# Altium PCB ROV_PCB_üst_layer_EDITED01.PcbDoc
Units mm, origin at the board's own origin, x right, y up, seen from the top; angles counter-clockwise.
Board outline 76.45 x 67.69 mm, 2 copper layers (Top Layer, Bottom Layer); 15 components, 20 nets, 89 pads, 0 vias.
Unrouted connection lines stored in the file: 3.
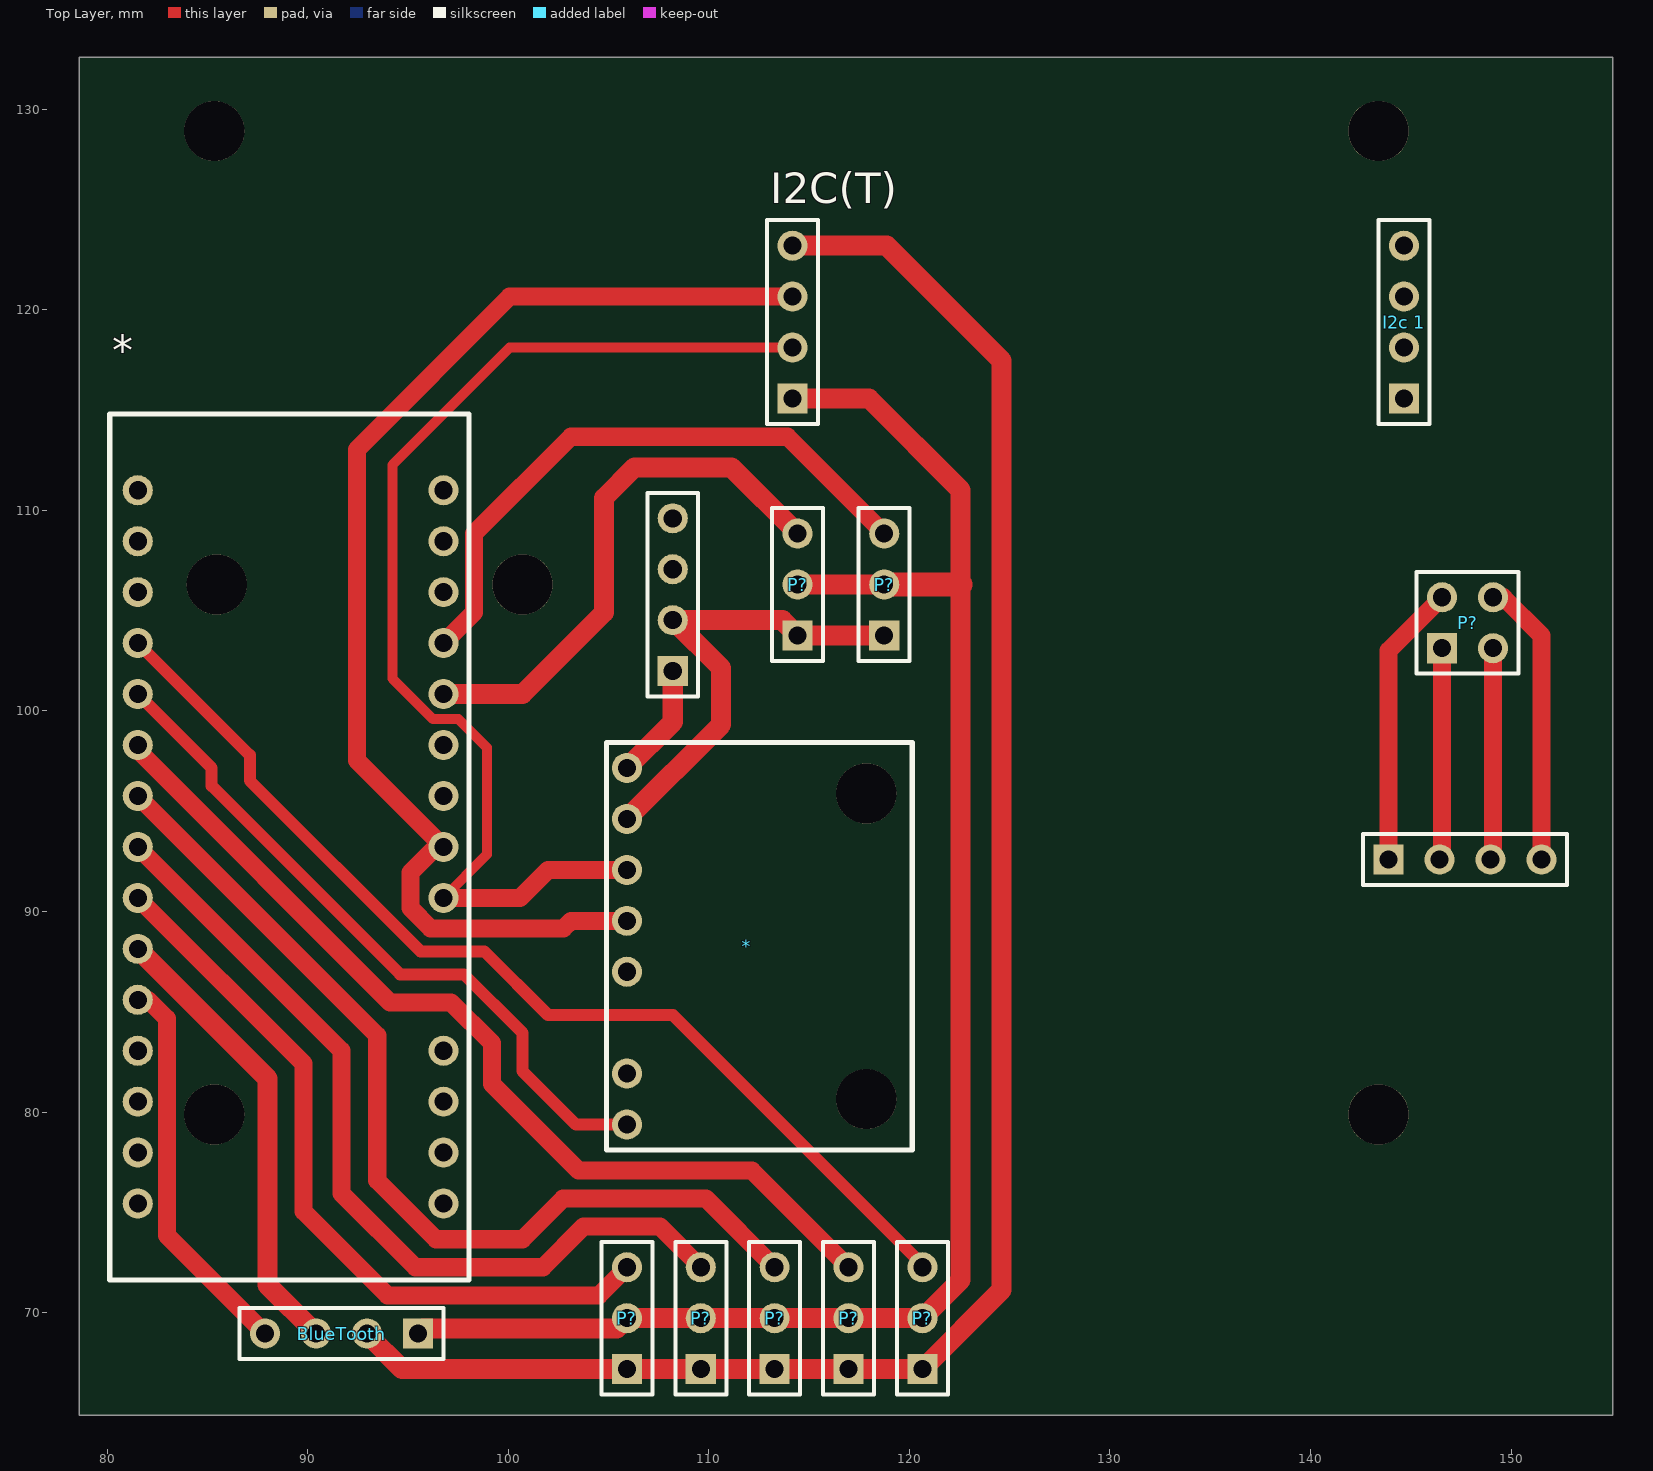
[diagram p0: Top Layer view]
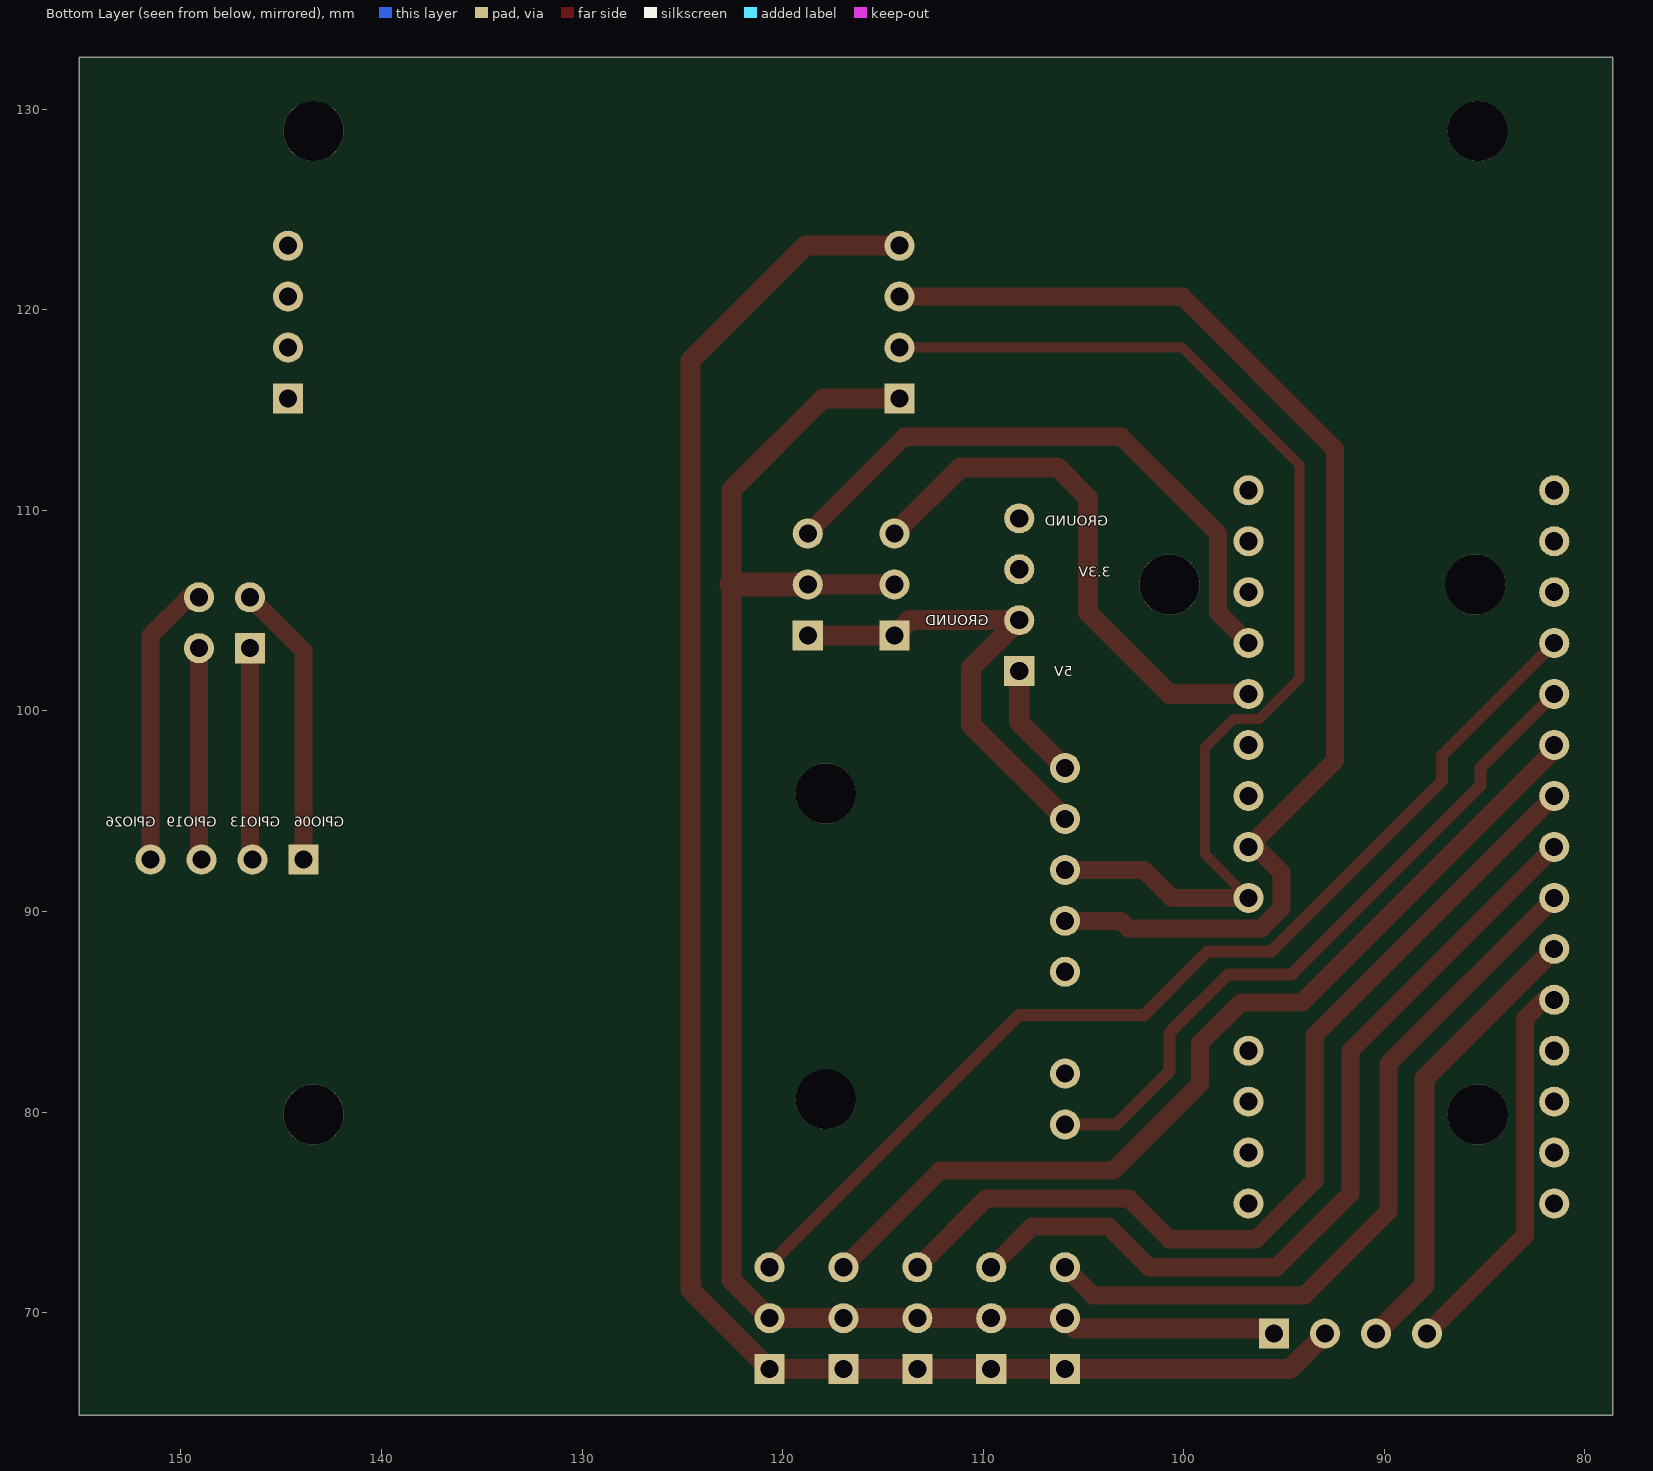
[diagram p1: Bottom Layer view, seen from below]

## Layer stack, top to bottom
Top Solder: solder mask 0.0102, Solder Resist, Dk 3.5
Top Layer: signal copper 0.0356
Dielectric 1: dielectric 0.32, FR-4, Dk 4.8
Bottom Layer: signal copper 0.0356
Bottom Solder: solder mask 0.0102, Solder Resist, Dk 3.5

## Board outline
78.613,64.897 78.613,132.588 155.067,132.588 155.067,64.897

## Design rules (kind name [scope] priority, off if disabled: settings)
Clearance [All] p1: gap=0.254
PolygonConnect [All] p1: connectstyle=Relief reliefconductorwidth=0.254 reliefentries=4 polygonreliefangle="90 Angle" airgapwidth=0.254
RoutingVias [All] p1: holewidth=0.711 width=1.27 viastyle="Through Hole" minholewidth=0.711 minwidth=1.27 maxholewidth=0.711 maxwidth=1.27
SolderMaskExpansion [All] p1: expansion=0.102
Width [All] p1 off: maxlimit=0.254 minlimit=0.254 preferedwidth=0.254
30 further rules are at their usual default settings.

## Classes and differential pairs
component class ROV_SCHE_ustlayer: i2c "i2c sharp"

## Components (designator, comment, footprint, x,y, rotation, side; value= is the part's Value field where it differs from the comment)
* "Component_1" PCBComponent_1 1261.618,-977.265 r270 top
* "Component_1" "Arduino Nano" 1333.119,1324.737 r0 top
BlueTooth "Header 4" HDR1X4 95.504,68.961 r180 top
Extra2 "Header 4" HDR1X4 108.204,101.981 r90 top
"EXTRA 0" "Header 4" HDR1X4 143.891,92.583 r0 top
"I2c 1" "Header 4" HDR1X4 144.653,115.57 r90 top
I2C(T) "Header 4" HDR1X4 114.173,115.57 r90 top
P? "Header 3" HDR1X3 120.65,67.183 r90 top
P? "Header 3" HDR1X3 116.967,67.183 r90 top
P? "Header 3" HDR1X3 113.284,67.183 r90 top
P? "Header 3" HDR1X3 109.601,67.183 r90 top
P? "Header 3" HDR1X3 105.918,67.183 r90 top
P? "Header 2X2" HDR2X2 146.558,103.124 r0 top
P? "Header 3" HDR1X3 114.427,103.759 r90 top
P? "Header 3" HDR1X3 118.745,103.759 r90 top

## Footprints (in the part's own frame and the unit in brackets; to place one, negate y for a bottom-side part, rotate by r counter-clockwise, add the part's x,y. Pads: shape width x height; smd on the part's side, far side on the other; paste and mask are expansions set on the pad)
"Arduino Nano" [mm]
  round 1.5 hole 0.9: 1(-1236.345,-1213.739) 2(-1236.345,-1216.279) 3(-1236.345,-1218.819) 4(-1236.345,-1221.359) 5(-1236.345,-1223.899) 6(-1236.345,-1226.439) 7(-1236.345,-1228.979) 8(-1236.345,-1231.519) 9(-1236.345,-1234.059) 12(-1236.345,-1241.679) 13(-1236.345,-1244.219) 14(-1236.345,-1246.759) 15(-1236.345,-1249.299) 16(-1251.585,-1249.299) 17(-1251.585,-1246.759) 18(-1251.585,-1244.219) 19(-1251.585,-1241.679) 20(-1251.585,-1239.139) 21(-1251.585,-1236.599) 22(-1251.585,-1234.059) 23(-1251.585,-1231.519) 24(-1251.585,-1228.979) 25(-1251.585,-1226.439) 26(-1251.585,-1223.899) 27(-1251.585,-1221.359) 28(-1251.585,-1218.819) 29(-1251.585,-1216.279) 30(-1251.585,-1213.739)
  silkscreen extent -1252.98,-1253.11 -1235.08,-1209.93, body extent -1253.11,-1253 -1235.11,-1208, height 8.5
HDR1X3 [mm] "Connector; Header; 3 Position"
  rect 1.5x1.5 hole 0.9: 1(0,0)
  round 1.5 hole 0.9: 2(2.54,0) 3(5.08,0)
  silkscreen extent -1.27,-1.27 6.35,1.27
HDR1X4 [mm] "Connector; Header; 4 Position"
  rect 1.5x1.5 hole 0.9: 1(0,0)
  round 1.5 hole 0.9: 2(2.54,0) 3(5.08,0) 4(7.62,0)
  silkscreen extent -1.27,-1.27 8.89,1.27
HDR2X2 [mm] "Connector; Header; 2x2 Position"
  rect 1.5x1.5 hole 0.9: 1(0,0)
  round 1.5 hole 0.9: 2(0,2.54) 3(2.54,0) 4(2.54,2.54)
  silkscreen extent -1.27,-1.27 3.81,3.81
PCBComponent_1 [mm]
  round 1.5 hole 0.9: 1(-1074.42,-1155.7) 2(-1071.88,-1155.7) 3(-1069.34,-1155.7) 4(-1066.8,-1155.7) 5(-1064.26,-1155.7) 7(-1059.18,-1155.7) 8(-1056.64,-1155.7)
  round 3 hole 3: 2(-1073.15,-1143.766) 7(-1057.91,-1143.766)
  round 0 all layers, no hole: 6(-1061.72,-1155.7)
  silkscreen extent -1075.69,-1156.72 -1055.37,-1141.48, body extent -1076.08,-1157.1 -1054.98,-1141.22, height 13.94

## Part data
BlueTooth Extra2 "EXTRA 0" "I2c 1" I2C(T): "Header, 4-Pin"
P? P? P? P? P? P? P?: "Header, 3-Pin"
P?: "Header, 2-Pin, Dual row"

## Free pads (board coordinates)
  round 3 hole 3: 6(85.344,79.883) 7(143.383,79.883) 8(85.344,128.905) 9(143.383,128.905) 11(85.471,106.299) 12(100.711,106.299)

## Nets (pads, with @x,y where several pads share a name; then routed paths per layer and width w, separated by ;. In a path a pad name is that pad's centre, name@x,y a point inside that pad or via, vN(x,y) a via of type N, cw(c..) or ccw(c..) an arc to the next point about the centre after c; other vN are vias at no path point)
3.3V: Extra2.3
5V: *.1@105.918,97.155 BlueTooth.1 Extra2.1 I2C(T).1 P?.2@105.918,69.723 P?.2@109.601,69.723 P?.2@113.284,69.723 P?.2@114.427,106.299 P?.2@116.967,69.723 P?.2@118.745,106.299 P?.2@120.65,69.723 | length 91.7
  Top Layer w1: BlueTooth.1 95.758,69.215 105.41,69.215 105.918,69.723 109.601,69.723 113.284,69.723 116.967,69.723 120.65,69.723 122.555,71.628 122.555,110.998 117.983,115.57 114.173,115.57 ; *.1@105.918,97.155 108.204,99.441 Extra2.1 ; P?.2@114.427,106.299 P?.2@118.745,106.299
  Top Layer w1.2: P?.2@118.745,106.299 122.555,106.299
A01: *.4@96.774,103.378 P?.3@118.745,108.839 | length 30.5
  Top Layer w0.9: *.4@96.774,103.378 98.298,104.902 98.298,108.839 103.124,113.665 113.919,113.665 P?.3@118.745,108.839
A1: *.5@96.774,100.838 P?.3@114.427,108.839 | length 27.1
  Top Layer w1: *.5@96.774,100.838 100.711,100.838 104.775,104.902 104.775,110.617 106.299,112.141 111.125,112.141 P?.3@114.427,108.839
D2: *.20 BlueTooth.4 | length 19.6
  Top Layer w0.9: *.20 82.042,85.598 82.988,84.652 82.988,73.857 BlueTooth.4
D3: *.21 BlueTooth.3 | length 22.9
  Top Layer w1: *.21 88.011,81.661 88.011,71.374 BlueTooth.3
D4: *.22 P?.3@105.918,72.263 | length 37.5
  Top Layer w0.9: *.22 89.789,82.423 89.789,75.057 93.98,70.866 104.521,70.866 P?.3@105.918,72.263
D5: *.23 P?.3@109.601,72.263 | length 42.6
  Top Layer w0.9: *.23 91.694,83.058 91.694,75.946 95.377,72.263 101.727,72.263 103.759,74.295 107.569,74.295 P?.3@109.601,72.263
D6: *.24 P?.3@113.284,72.263 | length 47.4
  Top Layer w0.9: *.24 93.472,83.82 93.472,76.581 96.393,73.66 100.711,73.66 102.743,75.692 109.855,75.692 P?.3@113.284,72.263
D7: *.25 P?.3@116.967,72.263 | length 47.6
  Top Layer w0.9: *.25 81.534,98.044 94.107,85.471 97.155,85.471 99.187,83.439 99.187,81.407 103.505,77.089 112.141,77.089 P?.3@116.967,72.263
D8: *.8@105.918,79.375 *.26 | length 35
  Top Layer w0.6: *.26@81.534,100.711 *.26 85.217,97.155 85.217,96.266 94.615,86.868 97.79,86.868 100.711,83.947 100.711,82.042 103.378,79.375 *.8@105.918,79.375
D9: *.27 P?.3@120.65,72.263 | length 52.8
  Top Layer w0.6: *.27 87.122,97.79 87.122,96.52 95.631,88.011 98.806,88.011 101.981,84.836 108.204,84.836 120.65,72.39 P?.3@120.65,72.263
D10: *.28
GPIO06: "EXTRA 0.1" P?.2@146.558,105.664 | length 14.2
  Top Layer w0.9: 143.891,92.583 143.891,102.997 P?.2@146.558,105.664
GPIO13: "EXTRA 0.2" P?.1@146.558,103.124 | length 10.6
  Top Layer w0.9: 146.431,92.583 146.558,92.71 P?.1@146.558,103.124
GPIO19: "EXTRA 0.3" P?.3@149.098,103.124 | length 10.6
  Top Layer w0.9: 148.971,92.583 149.098,92.71 P?.3@149.098,103.124
GPIO26: "EXTRA 0.4" P?.4 | length 14.4
  Top Layer w0.9: P?.4 149.606,105.664 151.511,103.759 151.511,92.583
GROUND: *.2@105.918,94.615 BlueTooth.2 Extra2.2 Extra2.4 I2C(T).4 P?.1@105.918,67.183 P?.1@109.601,67.183 P?.1@113.284,67.183 P?.1@114.427,103.759 P?.1@116.967,67.183 P?.1@118.745,103.759 P?.1@120.65,67.183 | length 116.8
  Top Layer w1: BlueTooth.2 92.964,68.935 94.716,67.183 105.918,67.183 109.601,67.183 113.284,67.183 116.967,67.183 120.65,67.183 124.587,71.12 124.587,117.475 118.872,123.19 114.173,123.19 ; *.2@105.918,94.615 110.617,99.314 110.617,102.134 Extra2.2@108.23,104.521 ; Extra2.2 Extra2.2@108.23,104.521 ; P?.1@118.745,103.759 114.427,103.759 113.665,104.521 Extra2.2@108.23,104.521
SCL: *.3@105.918,92.075 *.9 I2C(T).2 | length 57.3
  Top Layer w0.5: *.9 98.933,92.837 98.933,98.171 97.52,99.584 96.255,99.584 94.234,101.605 94.234,112.268 100.076,118.11 114.173,118.11
  Top Layer w0.9: *.9 100.584,90.678 101.981,92.075 *.3@105.918,92.075
SDA: *.4@105.918,89.535 *.8@96.774,93.218 I2C(T).3 | length 61.8
  Top Layer w0.9: *.4@105.918,89.535 103.124,89.535 102.743,89.154 96.139,89.154 95.123,90.17 95.123,91.948 96.393,93.218 96.774,93.218 92.456,97.536 92.456,113.03 100.076,120.65 114.173,120.65
pads on no net: "I2c 1.1" "I2c 1.2" "I2c 1.3" "I2c 1.4" *.1@96.774,110.998 *.2@96.774,108.458 *.2@117.852,95.885 *.3@96.774,105.918 *.5@105.918,86.995 *.6 *.7 *.12 *.13 *.14 *.15 *.16 *.17 *.18 *.19 *.29 *.30

## Silkscreen, mask and mechanical layers (free items; w line width, h text height)
Bottom Overlay:
  text "GROUND" at 103.759,109.22 h0.51
  text "3.3V" at 103.632,106.68 h0.51
  text "GROUND" at 109.728,104.267 h0.51
  text "5V" at 105.537,101.727 h0.51
  text "GPIO06" at 141.859,94.234 h0.5
  text "GPIO13" at 145.034,94.234 h0.5
  text "GPIO19" at 148.209,94.234 h0.5
  text "GPIO26" at 151.257,94.234 h0.5
Mechanical 1:
  the board outline again, w1.27